# Altium PCB neoPeak.PcbDoc
Units mm, origin at the board's own origin, x right, y up, seen from the top; angles counter-clockwise.
Board outline 32 x 34 mm, 4 copper layers (Top Layer, Signal1, GND, Bottom Layer), stack 1.6 mm thick; 72 components, 59 nets, 300 pads, 223 vias.
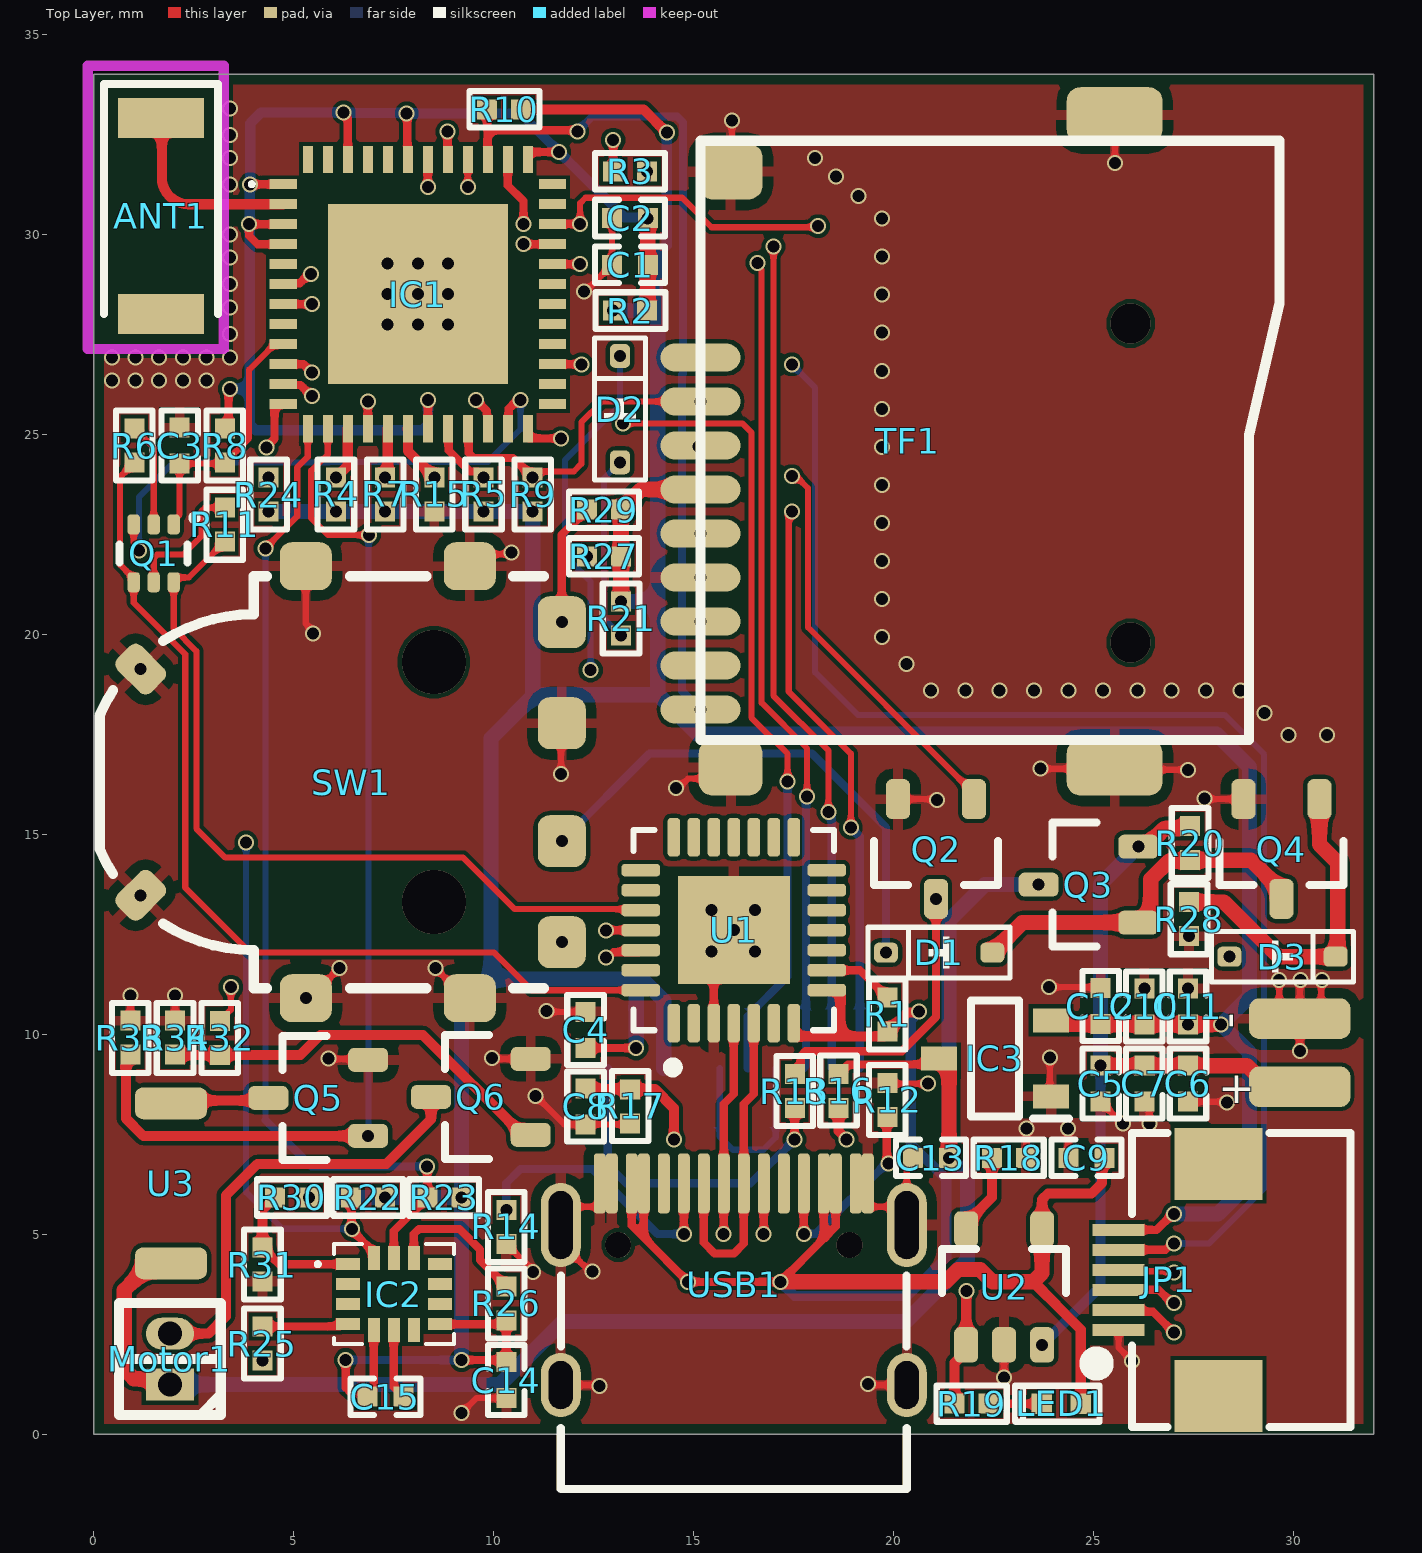
[diagram p0: Top Layer view]
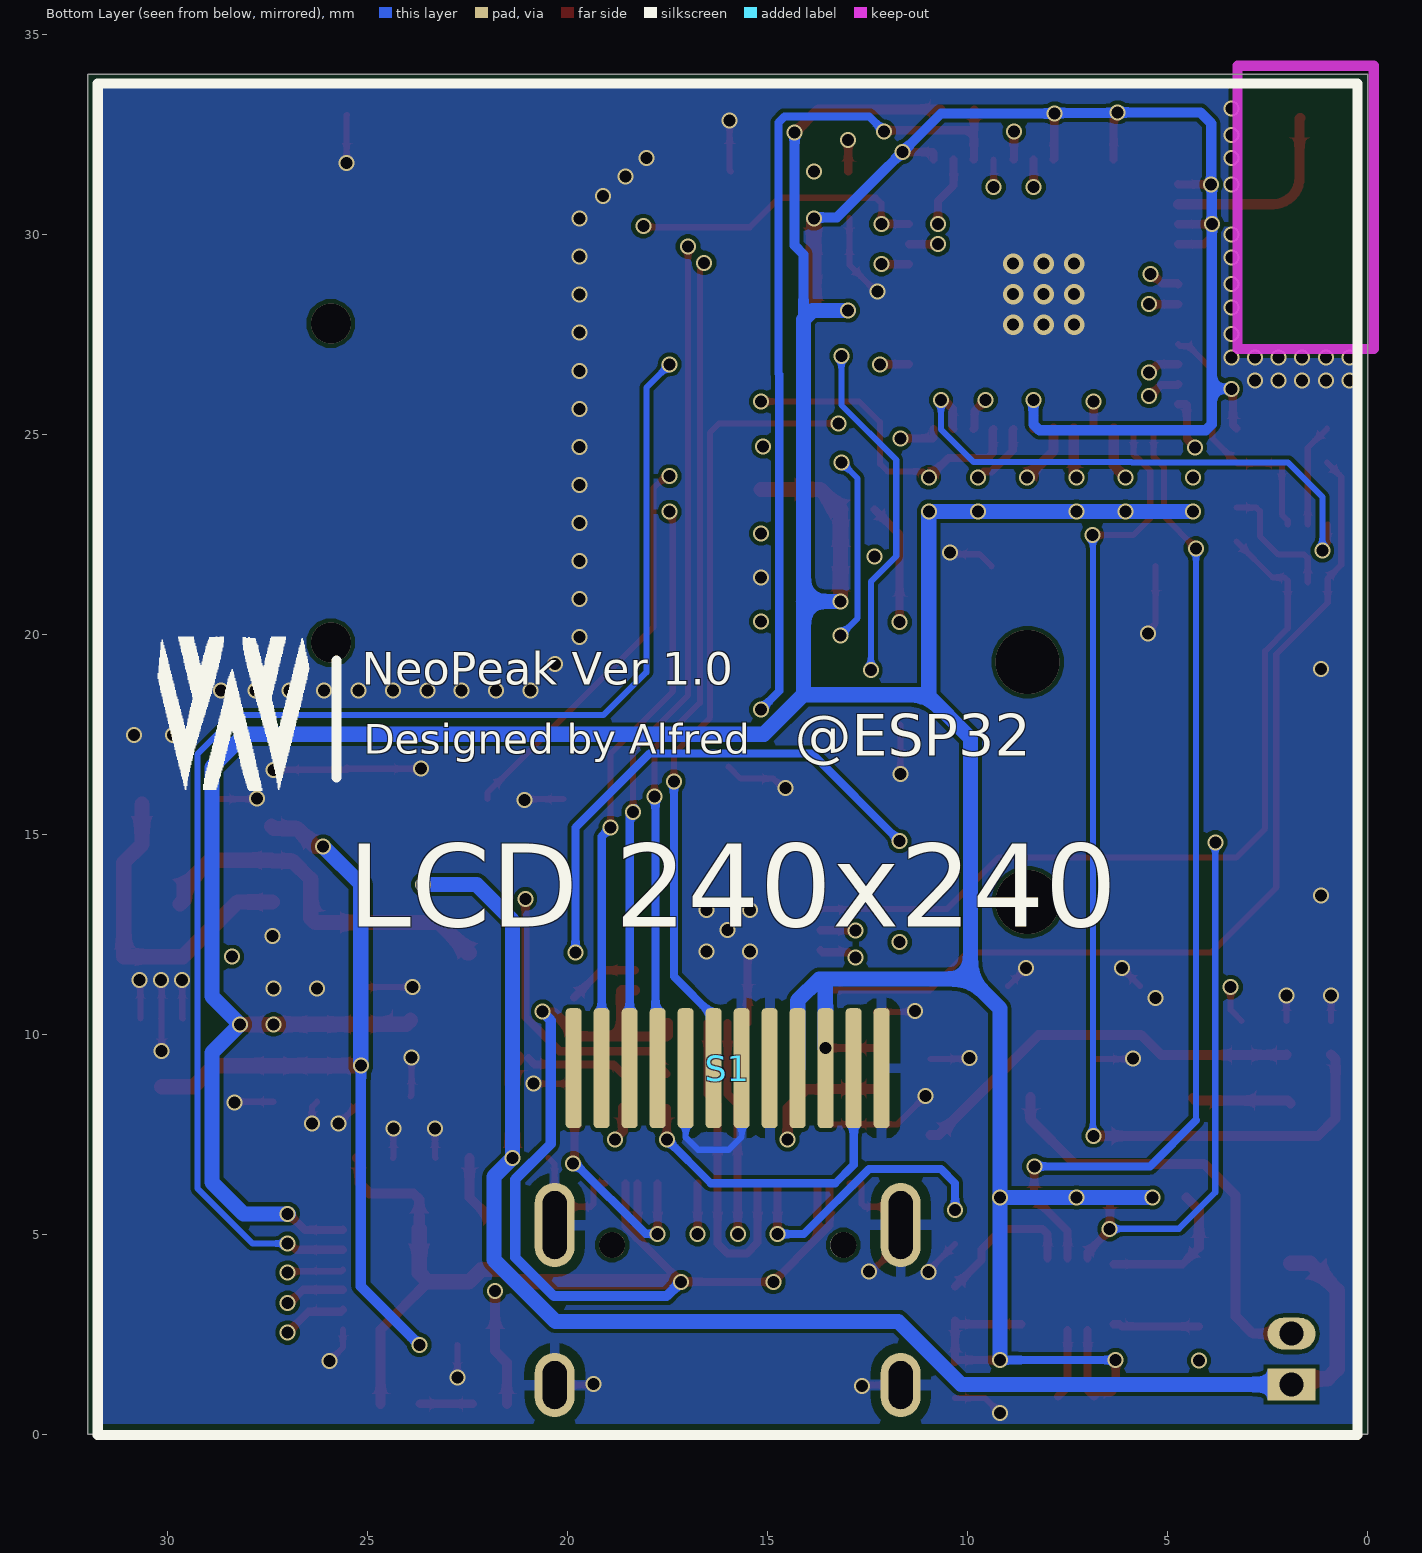
[diagram p1: Bottom Layer view, seen from below]
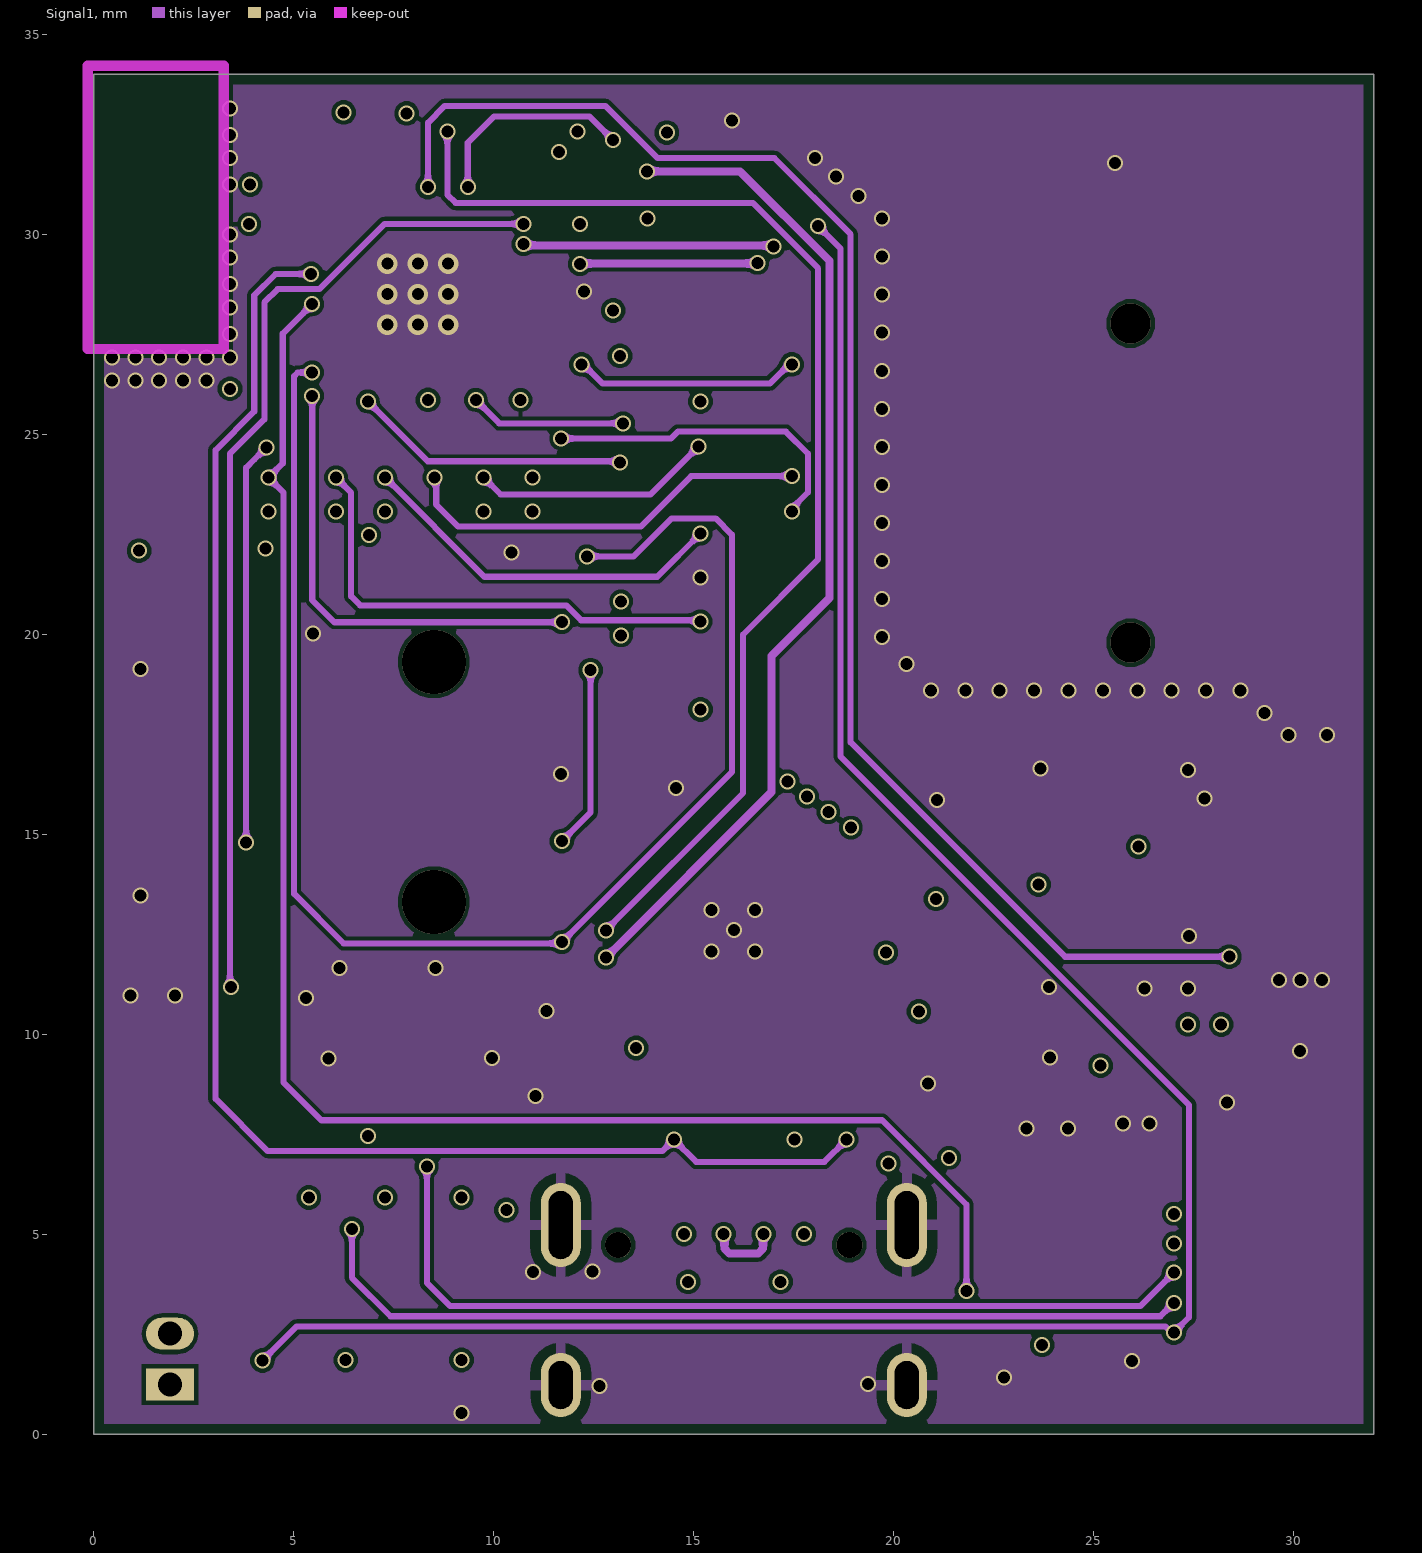
[diagram p2: Signal1]
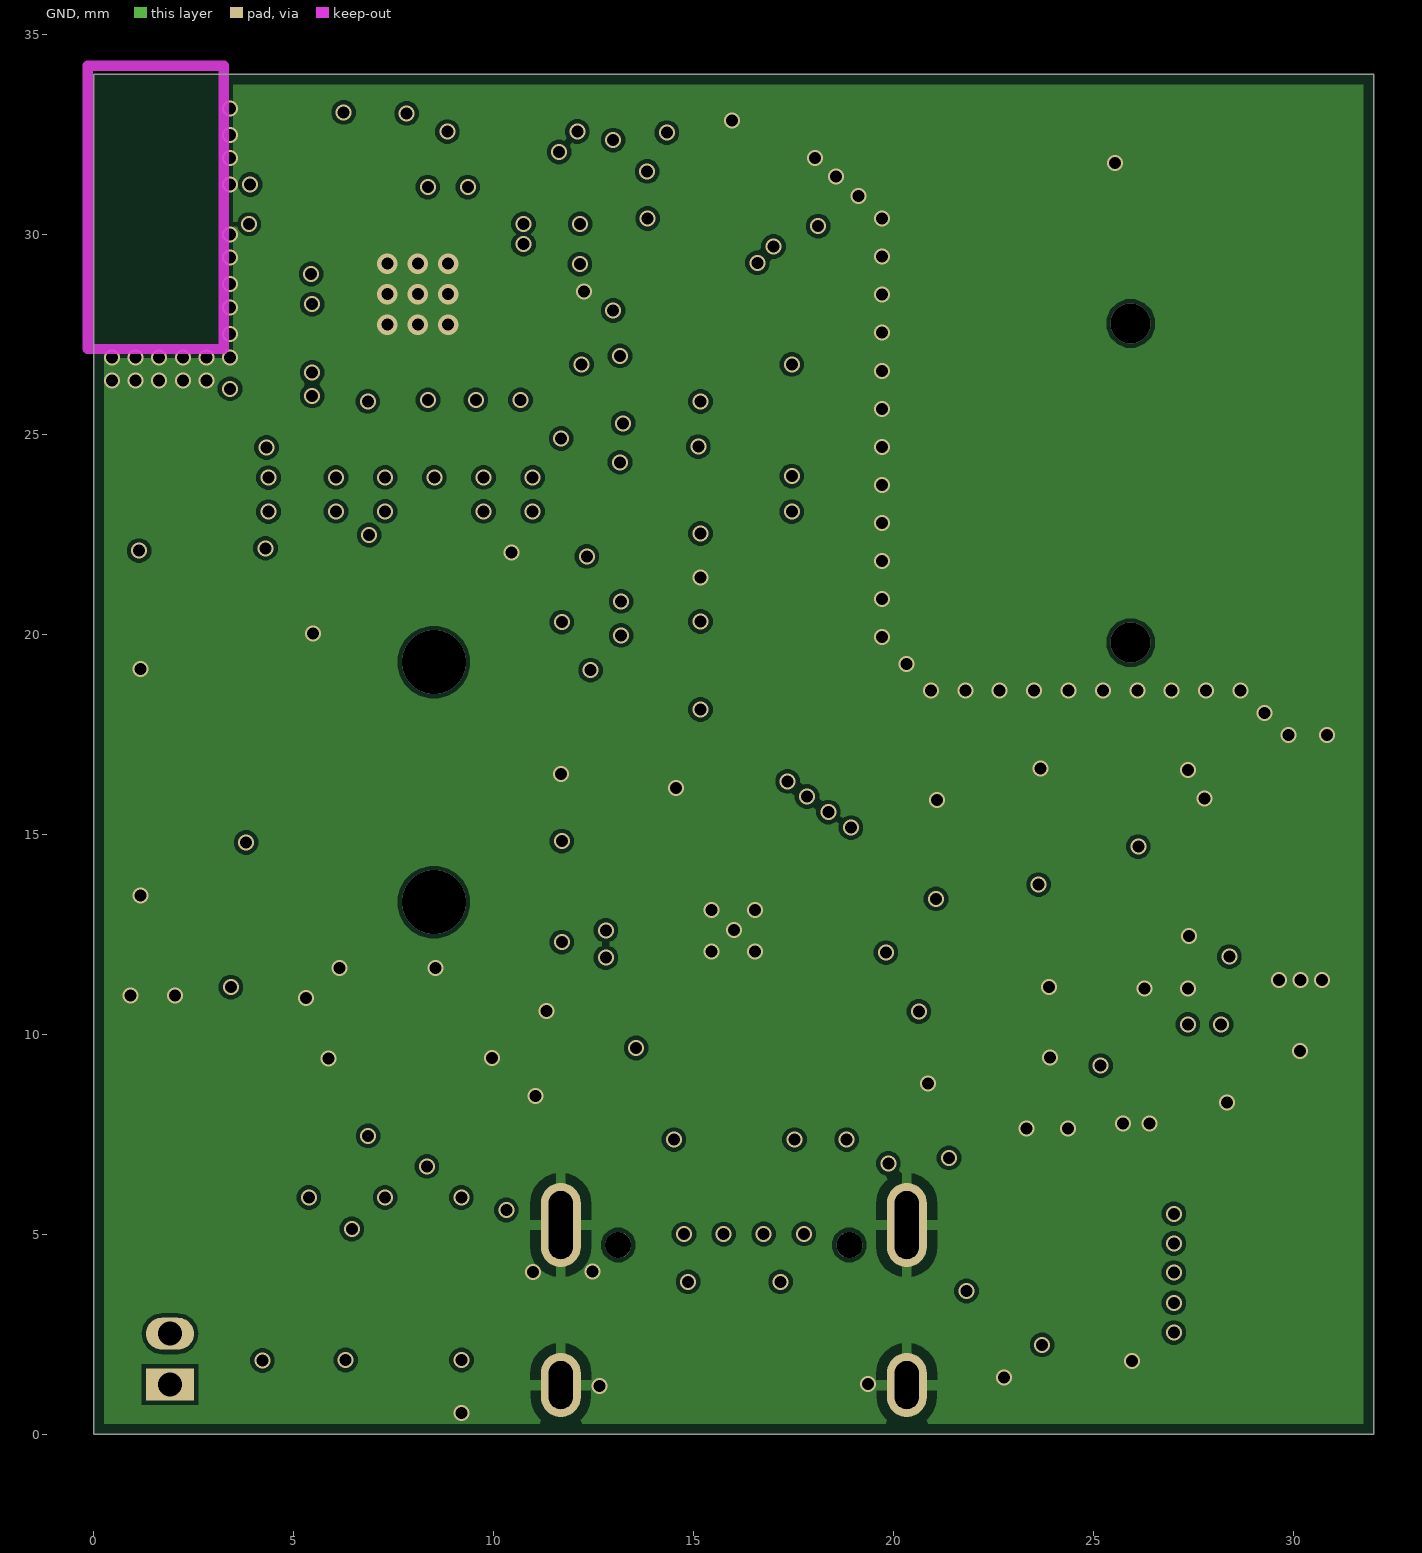
[diagram p3: GND]
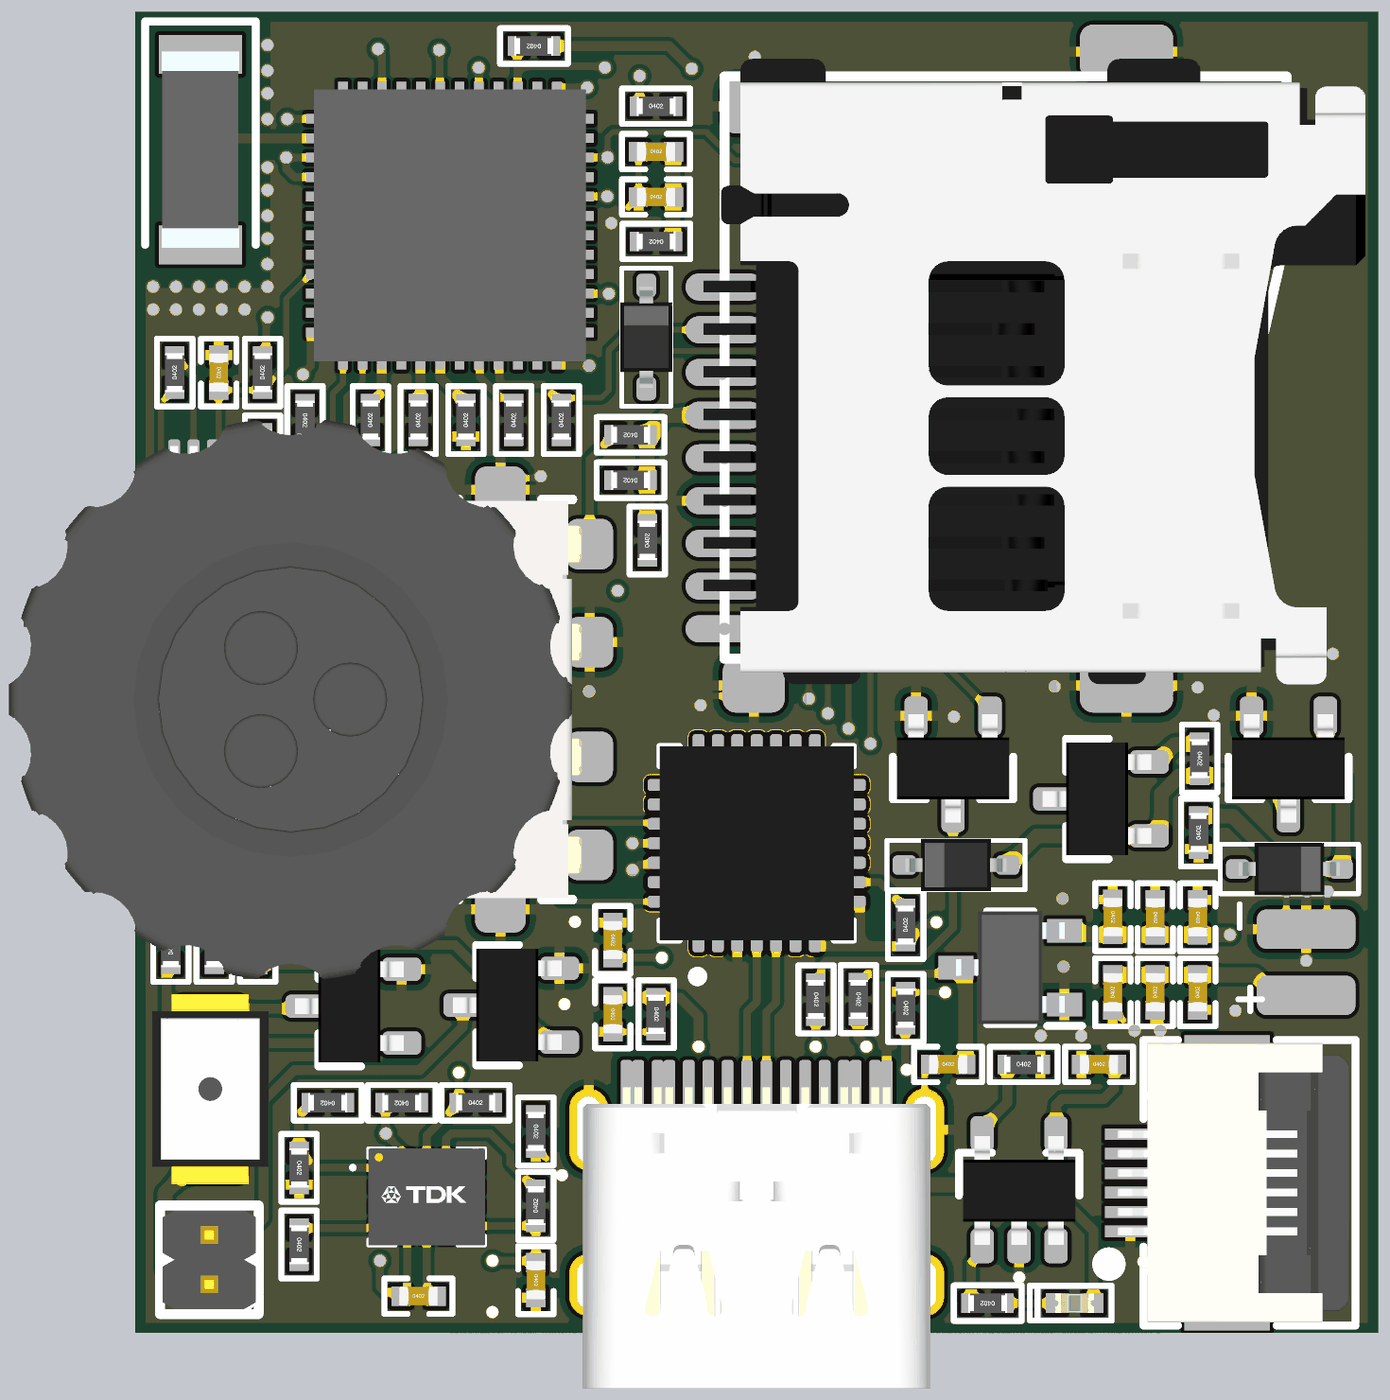
[diagram p4: 3D render of the assembled board from above, using the file's embedded part models]

## Layer stack, top to bottom
Top Solder: solder mask 0.0102, Solder Resist, Dk 3.5
Top Layer: signal copper 0.035
Dielectric 2: prepreg 0.148, PP-006, Dk 4.1
Signal1: signal copper 0.017
Dielectric 1: dielectric 1.2, FR-4, Dk 4.8
GND: signal copper 0.017
Dielectric 3: prepreg 0.148, PP-006, Dk 4.1
Bottom Layer: signal copper 0.035
Bottom Solder: solder mask 0.0102, Solder Resist, Dk 3.5

## Board outline
0,0 32,0 32,34 0,34

## Design rules (kind name [scope] priority, off if disabled: settings)
BoardOutlineClearance [All] p1: gap=0.254 ignorepadtopadclearanceinfootprint=FALSE except(0: Arc-SplitContinuation Track-SplitContinuation SMDPad-SplitContinuation THPad-SplitContinuation Via-SplitContinuation Fill-SplitContinuation Poly-SplitContinuation Region-SplitContinuation Text-SplitContinuation)
Clearance [All] p1: gap=0.102 ignorepadtopadclearanceinfootprint=FALSE
PolygonConnect [All] p1: thpad.connectstyle=Relief thpad.reliefconductorwidth=0.254 thpad.reliefentries=4 thpad.polygonreliefangle="90 Angle" thpad.airgapwidth=0.254 smdpad.connectstyle=Relief smdpad.reliefconductorwidth=0.254 smdpad.reliefentries=4 smdpad.polygonreliefangle="90 Angle" smdpad.airgapwidth=0.254 via.connectstyle=Direct via.reliefconductorwidth=0.254 via.reliefentries=4 via.polygonreliefangle="90 Angle" via.airgapwidth=0.254
RoutingVias RoutingVias_1 [All] p1: holewidth=0.2 width=0.4 viastyle="Through Hole" minholewidth=0.2 minwidth=0.4 maxholewidth=0.3 maxwidth=1
RoutingVias [All] p2: holewidth=0.711 width=1.27 viastyle="Through Hole" minholewidth=0.711 minwidth=1.27 maxholewidth=0.711 maxwidth=1.27
SolderMaskExpansion [All] p1: expansion=0.102 istentingtop=FALSE
SupplyNets "Schematic Supply Nets_5" [InNet('VUSB')] p1: voltage=0.000
SupplyNets "Schematic Supply Nets_4" [InNet('VCC_3V3')] p2: voltage=0.000
SupplyNets "Schematic Supply Nets_3" [InNet('VBAT_IN')] p3: voltage=0.000
SupplyNets "Schematic Supply Nets_2" [InNet('VBAT')] p4: voltage=0.000
SupplyNets "Schematic Supply Nets_1" [InNet('3V3A')] p5: voltage=0.000
SupplyNets "Schematic Supply Nets" [InNet('GND')] p6: voltage=0.000
Width [All And (OnMid)] p1: maxlimit=1.524 minlimit=0.102 preferedwidth=0.254 minimp=50.000000 maximp=50.000000 favimp=50.000000
30 further rules are at their usual default settings.

## Classes and differential pairs
net class GND: GND

## Components (designator, comment, footprint, x,y, rotation, side; value= is the part's Value field where it differs from the comment)
ANT1 "AN2051-245" ANTC5020X127N 1.676,30.455 r270 top
C1 "10uF" C0402_L 13.408,29.235 r0 top
C2 "0.1uF" C0402_L 13.408,30.404 r0 top
C3 "1uF" C0402_L 2.146,24.714 r270 top
C4 "0.1uF" C0402_L 12.294,10.109 r270 top
C5 "4.7uF" C0402_L 25.171,8.763 r90 top
C6 "10uF" C0402_L 27.356,8.763 r90 top
C7 "0.1uF" C0402_L 26.264,8.763 r90 top
C8 "0.1uF" C0402_L 12.294,8.197 r270 top
C9 "4.7uF" C0402_L 24.816,6.909 r0 top
C10 "1uF" C0402_L 26.264,10.693 r270 top
C11 "10uF" C0402_L 27.356,10.693 r270 top
C12 "0.1uF" C0402_L 25.171,10.701 r270 top
C13 "1uF" C0402_L 20.93,6.909 r0 top
C14 "0.1uF" C0402_L 10.312,1.353 r270 top
C15 "0.1uF" C0402_L 7.29,0.94 r0 top
D1 "1N5819WS" SOD-323 21.133,12.04 r180 top
D2 "1N5819WS" SOD-323 13.157,25.629 r90 top
D3 "1N5819WS" SOD-323 29.718,11.938 r0 top
IC1 "ESP32-PICO-V3-02-ES" ESP32PICOV302ES 8.1,28.5 r0 top
IC2 "ICM-42688-P" IIM42352 7.5,3.5 r0 top
IC3 "ME6211A33M3G-N" SOT95P280X145-3N 22.53,9.398 r180 top
JP1 "CON-6P" FPC0.5-WT-6P 28.118,3.861 r90 top
LED1 "G" LED0402_G 24.187,0.762 r180 top
Motor1 "HDR-1X2" HDR1.27-LI-2P 1.905,1.88 r90 top
Q1 "BC847BVC-7" SOT563-6 1.499,22.022 r180 top
Q2 "AO3400A" SOT23-3 21.057,14.63 r270 top
Q3 "AO3401A" SOT23-3 24.867,13.741 r180 top
Q4 "AO3400A" SOT23-3 29.693,14.63 r270 top
Q5 "AO3400A" SOT23-3 5.613,8.407 r180 top
Q6 "AO3400A" SOT23-3 9.677,8.433 r180 top
R1 "10k" R0402_L 19.837,10.497 r90 top
R2 "0" R0402_L 13.411,28.092 r180 top
R3 "200" R0402_L 13.411,31.572 r0 top
R4 "10k" R0402_L 6.055,23.495 r90 top
R5 "10k" R0402_L 9.743,23.495 r90 top
R6 "12k" R0402_L 1.016,24.717 r90 top
R7 "10k" R0402_L 7.285,23.495 r90 top
R8 "10k" R0402_L 3.277,24.717 r90 top
R9 "10k" R0402_L 10.973,23.495 r90 top
R10 "10k" R0402_L 10.262,33.122 r180 top
R11 "12k" R0402_L 3.277,22.74 r90 top
R12 "5.1k" R0402_L 19.837,8.357 r270 top
R13 "10" R0402_L 17.526,8.578 r270 top
R14 "5.1k" R0402_L 10.312,5.182 r270 top
R15 "10k" R0402_L 8.514,23.495 r90 top
R16 "100k" R0402_L 18.618,8.585 r270 top
R17 "100k" R0402_L 13.411,8.197 r270 top
R18 "2k" R0402_L 22.879,6.909 r0 top
R19 "1k" R0402_L 21.946,0.762 r180 top
R20 "20k" R0402_L 27.407,14.776 r270 top
R21 "10k" R0402_L 13.183,20.396 r90 top
R22 "10k" R0402_L 6.858,5.918 r180 top
R23 "10k" R0402_L 8.763,5.918 r0 top
R24 "10k" R0402_L 4.369,23.489 r270 top
R25 "0" R0402_L 4.216,2.267 r270 top
R26 "10k" R0402_L 10.312,3.27 r90 top
R27 "10k" R0402_L 12.751,21.946 r180 top
R28 "20k" R0402_L 27.381,12.878 r90 top
R29 "10k" R0402_L 12.751,23.114 r180 top
R30 "0(NC)" R0402_L 4.953,5.918 r180 top
R31 "10k" R0402_L 4.216,4.242 r270 top
R32 "100" R0402_L 3.15,9.906 r270 top
R33 "10k" R0402_L 0.914,9.912 r90 top
R34 "10k" R0402_L 2.032,9.912 r90 top
S1 "LCD-240x240" LCD-240x240-FlUSH-154 16,17 r180 bottom locked
SW1 "Rotary Encoder" SIQ-02FVS3 4,16.3 r90 top
TF1 "TF" TF-SOCKET 23.5,31.5 r0 top locked
U1 "CP2102" QFN-28 16,12.6 r90 top value=Value
U2 "MCP73831T" SOT23-5 22.758,3.734 r90 top
U3 "DET402" DET402 1.93,6.274 r90 top
USB1 "Type-C" Type-C-TOP 16,3.75 r270 top locked
